# Altium PCB PCB.PcbDoc (part 2 of 3)
Units mm, origin at the board's own origin, x right, y up, seen from the top; angles counter-clockwise.
Board outline 245 x 130 mm, 2 copper layers (Top Layer, Bottom Layer), stack 2.071 mm thick; 280 components, 247 nets, 1185 pads, 381 vias.
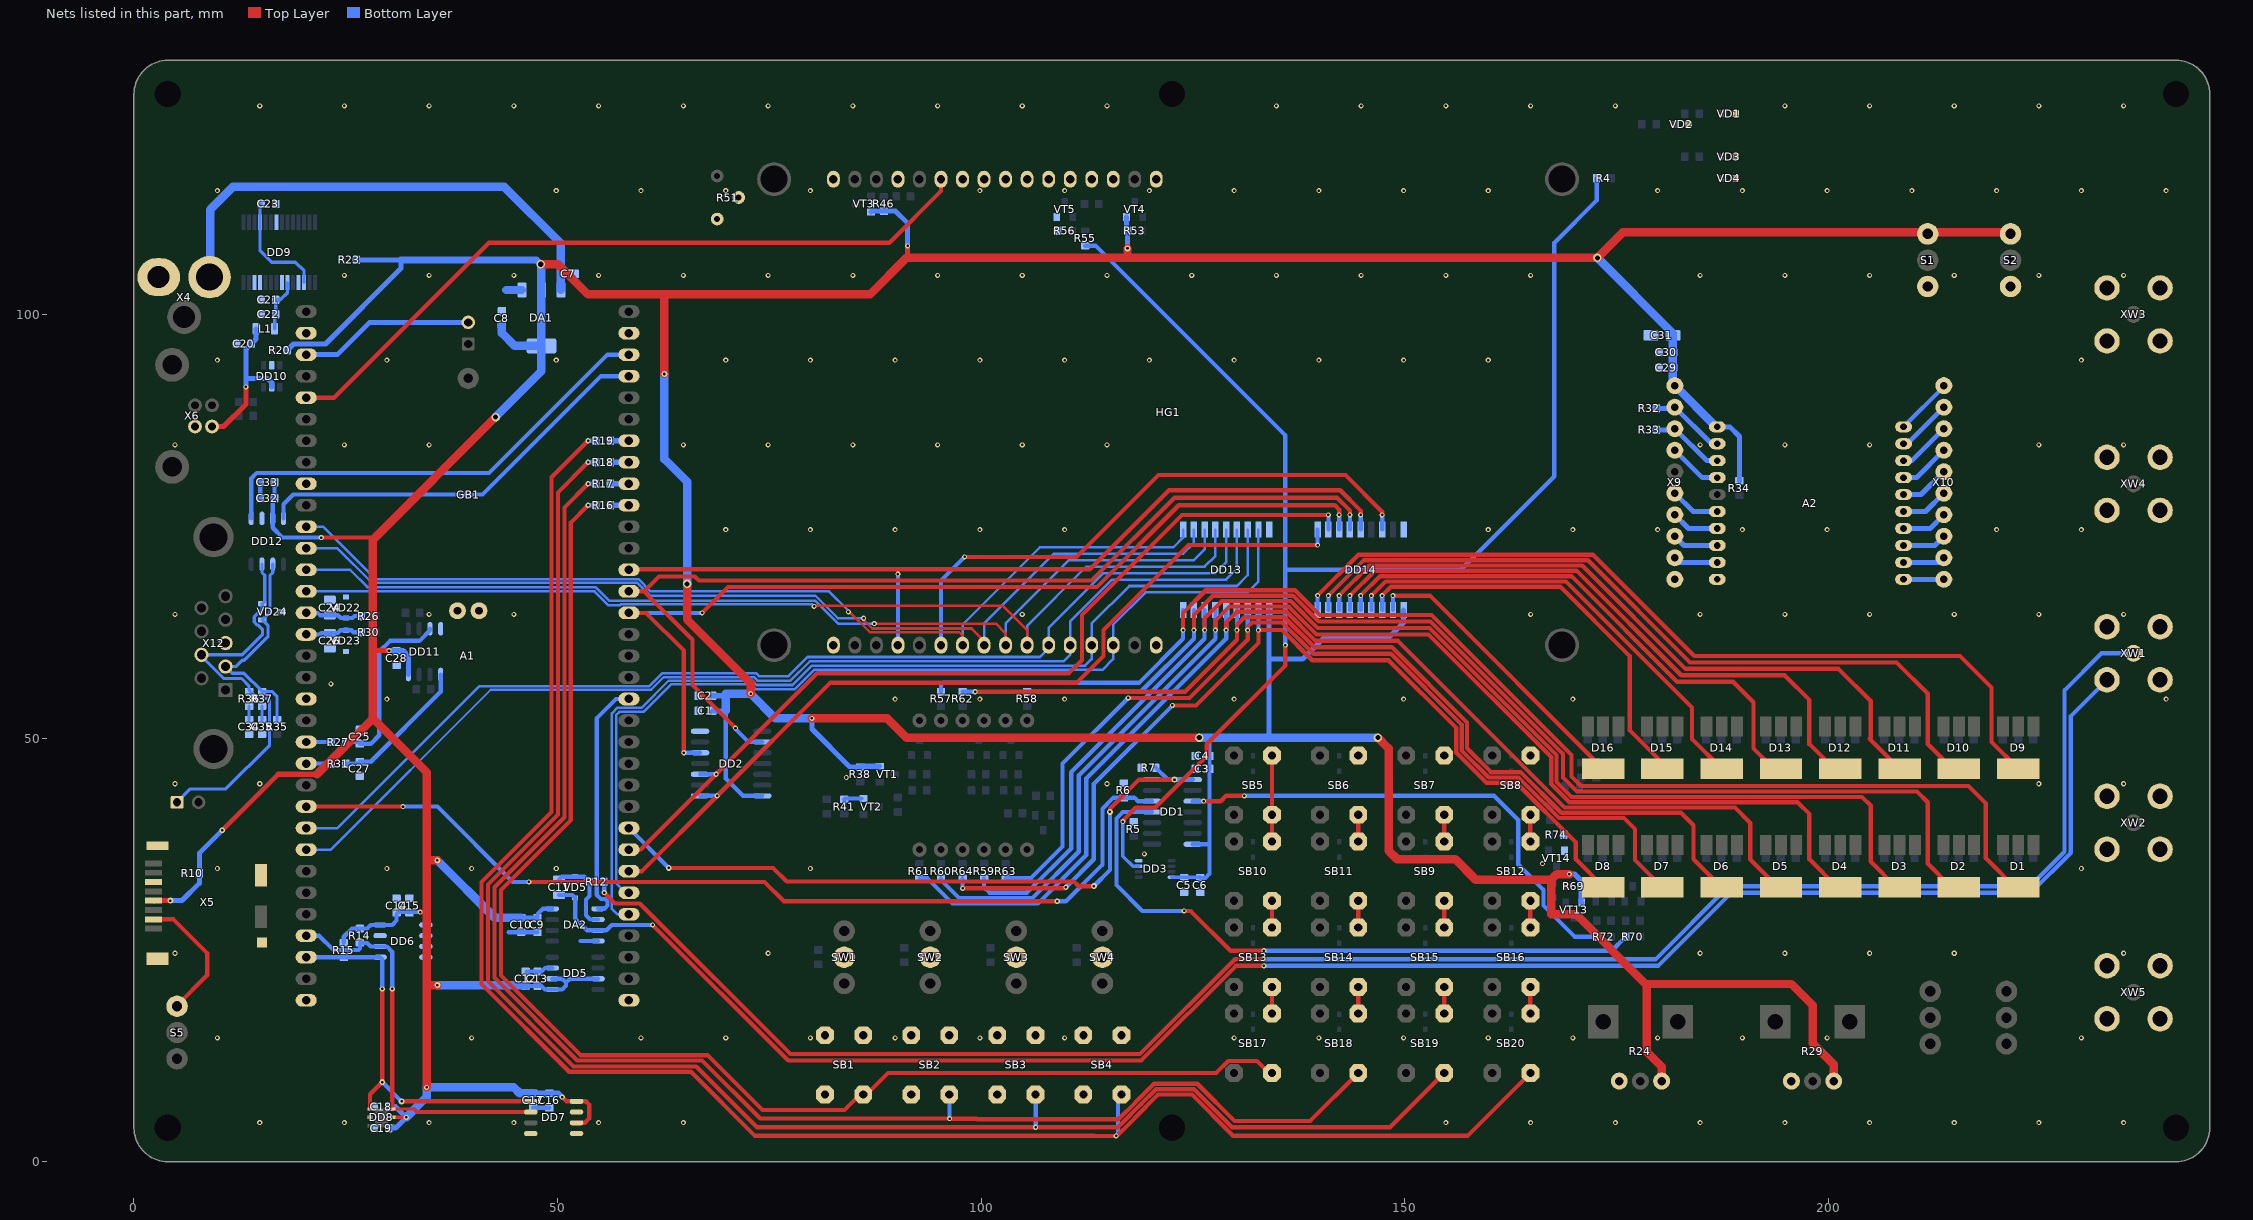
[diagram p2: the nets of this part, all layers, seen from the top]

## Part data
A1: "The STM32F072 discovery kit", ComponentLink1Description=Documentation, ComponentLink1URL=https://www.st.com/content/ccc/resource/technical/document/user_manual/3b/8d/46/57/b7/a9/49/b4/DM00099401.pdf/files/DM00099401.pdf/jcr:content/translations/en.DM00099401.pdf, ComponentLink2Description=KOMPEL, ComponentLink2URL=https://www.compel.ru/infosheet/ST/STM32F072B-DISCO, Model=STM32F072B-Disco
A2: library part IC-RADIO-XBEE, "XBEE module", ComponentLink1Designator=Compel
C1 C3 C5 C9 C12 C14 C16 C18 C21 C23 C28 C29 C32: library part CAPC_100n_0603_X7R_50V_10%, "Capacitor SMD Cer 100nF 10% 50V X7R 0603", Manufacturer 1="TDK Corporation", Manufacturer Part Number 1=C1608X7R1H104K, Package / Case="0603 (1608 Metric)", Ratings="50V; X7R", Tolerance=±10%, ComponentLink1Description=Compel, ComponentLink1URL=https://www.compel.ru/infosheet/TDK/C1608X7R1H104KT, Material=ceramic, SCDType=spec, Supplier 1=Compel
C2 C4 C6 C10 C13 C15 C17 C19 C30 C33: library part CAPC_10u_0805_10V, "Capacitor SMD Cer 10uF 10% 10V X5R 0603", Manufacturer 1="TDK Corporation", Manufacturer Part Number 1=C1608X5R1A106K080AC, Package / Case="0603 (1608 Metric)", Ratings="10V; X5R", Tolerance=±10%, ComponentLink1Description=Compel, ComponentLink1URL=https://www.compel.ru/infosheet/TDK/C1608X5R1A106K080AC, Material=ceramic, SCDType=spec, Supplier 1=Compel
C7 C8 C25 C27: library part CAPC_1u_0603_X7R_16V_10%, "Capacitor SMD Cer 1uF 10% 16V X7R 0603", Manufacturer 1="TDK Corporation", Manufacturer Part Number 1=C1608X7R1A105K080AC, Package / Case="0603 (1608 metric)", Ratings="16V; X7R", Supplier Part Number 1=445-1604-1-ND, Tolerance=±10%, ComponentLink1Description=Compel, ComponentLink1URL=https://www.compel.ru/infosheet/TDK/C1608X7R1A105K080AC, Material=ceramic, SCDType=spec, Supplier 1=Compel
C11 C24 C26: library part CAPC_330n_0805_X7R_25V_10%, "Capacitor SMD Cer 330nF 10% 25V X7R 0805", Manufacturer 1=Kemet, Manufacturer Part Number 1=C0805C334K3RACTU, Package / Case="0805 (2012 metric)", Ratings="25V; X7R", Tolerance=±10%, ComponentLink1Description=Compel, ComponentLink1URL=https://www.compel.ru/infosheet/KEM/C0805C334K3RACTU, Material=ceramic, SCDType=spec, Supplier 1=Compel
C20: library part CAPC_10n_0603_X7R_50V_10%, "Capacitor SMD Cer 10nF 10% 50V X7R 0603", Manufacturer 1="TDK Corporation", Manufacturer 2="AVX Corporation", Manufacturer Part Number 1=C1608X7R1H103K, Manufacturer Part Number 2=06035C103KAT2A, Package / Case="0603 (1608 metric)", Ratings="50V; X7R", Supplier Part Number 1=445-1311-1-ND, Tolerance=±10%, ComponentLink1Description=http://product.tdk.com/capacitor/mlcc/en/documents/mlcc_commercial_general_en.pdf, ComponentLink1URL=http://product.tdk.com/capacitor/mlcc/en/documents/mlcc_commercial_general_en.pdf, ComponentLink2Description=Compel, ComponentLink2URL=https://www.compel.ru/infosheet/TDK/C1608X7R1H103K080AA, Material=ceramic, SCDType=spec, Supplier 1=Digi-Key, Supplier 2=Digi-Key, Supplier Part Number 2=478-1227-1-ND
C22: library part CAPC_4u7_0603, "Capacitor SMD Cer 4.7uF 10% 16V X5R 0805", Manufacturer 1="TDK Co.", Manufacturer 2="Samsung Electro-Mechanics America, Inc", Manufacturer 3=Kemet, Manufacturer 4="Murata Electronics North America", Manufacturer 5="Taiyo Yuden", Manufacturer Part Number 1=C1608X5R1E475K080AC, Manufacturer Part Number 2=CL21A475KOFNNNE, Manufacturer Part Number 3=C0805C475K4PACTU, Manufacturer Part Number 4=GRM21BR61C475MA88L, Manufacturer Part Number 5=EMK212BJ475KG-T, Operating Temperature="-55°C ~ 85°C", Package / Case="0603 (1608 Metric)", Ratings="25V; X5R", Supplier Part Number 1=587-1294-1-ND, Tolerance=±10%, ComponentLink1Description=Compel, ComponentLink1URL=https://www.compel.ru/infosheet/TDK/C1608X5R1E475K080AC, ComponentLink2Description=http://www.samsungsem.com/servlet/FileDownload?type=spec&file=CL21A475KOFNNNE.pdf, ComponentLink2URL=http://www.samsungsem.com/servlet/FileDownload?type=spec&file=CL21A475KOFNNNE.pdf, ComponentLink3Description=http://capacitoredge.kemet.com/capedge2/DataSheet?pn=C0805C475K4PACTU, ComponentLink3URL=http://capacitoredge.kemet.com/capedge2/DataSheet?pn=C0805C475K4PACTU, ComponentLink4Description=http://psearch.murata.com/capacitor/product/GRM21BR61C475MA88#.pdf, ComponentLink4URL=http://psearch.murata.com/capacitor/product/GRM21BR61C475MA88#.pdf, ComponentLink5Description=http://www.yuden.co.jp/productdata/catalog/en/mlcc01_e.pdf, ComponentLink5URL=http://www.yuden.co.jp/productdata/catalog/en/mlcc01_e.pdf, Material=ceramic, RoHS 1="RoHS Compliant", RoHS 2="RoHS Compliant", RoHS 3="RoHS Compliant", RoHS 4="RoHS Compliant", RoHS 5="RoHS Compliant", SCDType=spec, Size / Dimension="0.079\" L x 0.049\" W (2.00mm x 1.25mm)", Supplier 1=Digi-Key, Supplier 2=Digi-Key, Supplier 3=Digi-Key, Supplier 4=Digi-Key, Supplier 5=Digi-Key, Supplier Part Number 2=1276-1065-1-ND, Supplier Part Number 3=399-8101-1-ND, Supplier Part Number 4=490-7215-1-ND, Supplier Part Number 5=445-7640-1-ND, Thickness (Max)="0.053\" (1.35mm)"
C31: library part CAPT_22u_3216_6V3, "Capacitor SMD Tantalum 22uF 10% 6.3V 3216-18", Manufacturer 1=Kemet, Manufacturer 2="Vishay Sprague", Manufacturer 3="AVX Corporation", Manufacturer Part Number 1=T491A226K006AT, Manufacturer Part Number 2=293D226X96R3A2TE3, Manufacturer Part Number 3=TAJA226K006RNJ, Package / Case="EIA 535BAAC size A", Ratings=6.3V, Supplier Part Number 1=399-8279-1-ND, Tolerance=±10%, ComponentLink1Description=Compel, ComponentLink1URL=https://www.compel.ru/infosheet/KEM/T491A226K006AT, ComponentLink2Description=http://www.vishay.com/doc?40002, ComponentLink2URL=http://www.vishay.com/doc?40002, ComponentLink3Description=http://www.avx.com/docs/Catalogs/taj.pdf, ComponentLink3URL=http://www.avx.com/docs/Catalogs/taj.pdf, Material="Solid Tantalum", SCDType=source, Supplier 1=Digi-Key, Supplier 2=Digi-Key, Supplier 3=Digi-Key, Supplier Part Number 2=718-1139-1-ND, Supplier Part Number 3=478-3865-1-ND
C34 C35: library part CAPC_560p_0603_NP0_50V_5%, "Capacitor SMD Cer 560pF 5% 50V NP0 0603", Capacitance=470pF, Manufacturer 1=KEMET, Manufacturer Part Number 1=C0603C561K8RACTU, Operating Temperature="-55°C ~ 125°C", Package / Case="0603 (1608 metric)", Ratings=10V, Tolerance=±5%, Voltage - Rated=50V, Applications="General Purpose", ComponentLink1Description=Compel, ComponentLink1URL=https://www.compel.ru/infosheet/KEM/C0603C561K8RACTU, Height - Seated (Max)=-, Lead Spacing=-, Lead Style=-, Material=ceramic, Mounting Type="Surface Mount, MLCC", SCDType=spec, Size / Dimension="0.063\" L x 0.032\" W (1.60mm x 0.81mm)", Supplier 1=Compel, Thickness (Max)="0.035\" (0.90mm)"
D1 D2 D3 D4 D5 D6 D7 D8 D9 D10 D11 D12 D13 D14 D15 D16: "RGB LED", Case="SMT package", Manufacture="FORYARD OPTOELECTRONICS CO.,LTD", HelpURL=http://www.foryard.com/x-en/p-download/d-Part/u-f/m-1/n-f_FYLS-5050RGBC/y-394, Model=FYLS-5050RGBC
DA1: "StateVoltageSource", Case=SOT-223, Manufacture="Analog Devices", HelpURL=https://www.compel.ru/infosheet/AD/ADP3339AKCZ-3.3-RL7, Model=ADP3339AKCZ-3.3-RL7
DA2: library part MCP3201, "ADC", Case=SOIC, Manufacture=Microchip, ComponentLink1Description=Compel, ComponentLink1URL=https://www.compel.ru/infosheet/MCRCH/MCP3201-CI%2FSN, HelpURL=http://ww1.microchip.com/downloads/en/devicedoc/21290f.pdf, Model=MCP3201-BI/SN
DD1: "4x2ИЛИ-НЕ", Case=SO14, Manufacture="NEXPERIA B.V.", HelpURL=https://www.compel.ru/infosheet/NEX-NXP/74LV02D.112, Model=74LV02D.112
DD2: library part SN74AHCU04, "HEX invertor", Case="SO-14 (NS)", Manufacture=TI, HelpURL=https://www.compel.ru/infosheet/TI/SN74AHCU04D, Model=SN74AHCU04DR
DD3: "2x2И", Case=TSSOP8, Manufacture="NEXPERIA B.V.", HelpURL=https://www.compel.ru/infosheet/NEX-NXP/74LVC2G08DP.125, Model=74LVC2G08DP.125
DD5: library part AT45DB161E, "FLASH", Case="SO-8 (8S1, 4.80 x 3.81)", Manufacture=Microchip, ComponentLink1Description=Compel, ComponentLink2Description=Datasheet, Model=AT45DB161E-SSHF2B-T
DD6: library part 24LC64, "EEPROM", Case=SOIJ, Manufacture=Microchip, HelpURL=https://www.compel.ru/item-pdf/39284653603efe9197531fdb9e909a49/pn/mcrch~24aa64t-i-ot.pdf, Model=24LC64-I/SN
DD7: library part STLM75, "Temperature sensor", Case=SO8, Manufacture=STMicro, HelpURL=https://www.compel.ru/infosheet/ST/STLM75M2F, Model=STLM75M2F
DD8: "Humidity sensor", Case=DFN-6, Manufacture="SENSIRION AG", HelpURL=https://www.compel.ru/infosheet/SENSIR/SHT21, Model=SHT21
DD9: library part FT232, "USB-UART converter", Case=SSOP-28, Manufacture="FUTURE Technology Devices Int. Ltd.", HelpURL=https://www.compel.ru/infosheet/FTDI/FT232RLR-C, Model=FT232RL
DD10: "Protect", Case=SOT236, Manufacture="ST Microelectronics", HelpURL=https://www.compel.ru/infosheet/ST/USBLC6-2SC6, Model=USBLC6-2SC6
DD11: library part LMH6646, "Rail-to-Rail Input and Output Amplifiers  with Shutdown Option", Case="SOIC-8 (D0008A, 4.9 x 3.9)", Manufacture=TI, Model=LMH6646MA/NOPB
DD12: library part "SN65HVD230 3.3-V", "Protect", Case=so-8, Manufacture=TI, HelpURL=https://www.compel.ru/infosheet/TI/SN65HVD232D, Model=SN65HVD232D
DD13 DD14: library part ULN2803, "Darlington Assembly", Case=SO-18, Manufacture=TI, HelpURL=https://www.compel.ru/infosheet/TI/ULN2803ADWR, Model=ULN2803ADW
GB1: library part Battery, "Holder", ComponentLink1Description=HolderDatasheet, ComponentLink1URL=https://www.compel.ru/item-pdf/9f8fe22c0277a17744fe21e4a6f50dee/pn/renata~bat-hold.hu2032-lf.pdf, ComponentLink2Description=KOMPEL, ComponentLink2URL=https://www.compel.ru/infosheet/RENATA/BAT%2FHOLD.HU2032-LF, Model=HU2032-1
HG1: "LCD", Manufacture=МЭЛТ, HelpURL=http://www.melt.com.ru/docs/MT-20S4A.pdf, Model=MT-20S4A-2YLG-3V0
HL1: "Indicator", Manufacture=Kingbright, HelpURL=https://www.compel.ru/item-pdf/cf29282fff28ab60477c19c159e754de/pn/kgb~ca56-12gwa.pdf, Model=CA56-12GWA, SYMBOL=14.2mm
L1: library part FERRITE_MI0805K400R-10_0805, "Ferrite bead 2.2K Ohm at 100 MHz 200mA 0603 SMD", Manufacturer 1="STEWARD Inc.", Manufacturer Part Number 1=MI0805K400R-10, Package / Case=0805, Ratings="200 mA; 800 mOhm DC", Supplier Part Number 1=445-8671-1-ND, ComponentLink1Description=Compel, ComponentLink1URL=https://www.compel.ru/infosheet/STEWARD/MI0805K400R-10, Mounting Type="Surface Mount", RoHS 1="RoHS Compliant", SCDType=source, Size / Dimension=0805, Supplier 1=Digi-Key
R1 R2 R3 R4 R57 R58 R59 R60 R61 R62 R63 R64: library part RES_68R_0603_5%, "Resistor SMD chip 68 Ohm 0.1W 5% 0603", Manufacturer 1=Yageo, Manufacturer Part Number 1=RC0603FR-0768RL, Package / Case="0603 (1608 metric)", Ratings="1/10 W", Supplier Part Number 1=311-68GRCT-ND, Tolerance=±1%, ComponentLink1Designator=Compel, ComponentLink1URL=https://www.compel.ru/infosheet/YAG/RC0603FR-0768RL, Material="Thick Film", SCDType=spec, Supplier 1=Compel
R5 R6 R7 R10 R23 R34 R38 R41 R42 R43 R44 R45 R46 R53 R56 R65 R66 R67 R69 R74: library part RES_10K_0603_1%, "Resistor SMD chip 10k Ohm 0.1W 1% 0603", Manufacturer 1=Yageo, Manufacturer Part Number 1=RC0603FR-0710KL, Package / Case="0603 (1608 Metric)", Ratings=1/10W, Supplier Part Number 1=311-10.0KHRCT-ND, Tolerance=±1%, ComponentLink1Designator=Compel, ComponentLink1URL=https://www.compel.ru/infosheet/YAG/RC0603FR-0710KL, SCDType=spec, Supplier 1=Compel
R8 R9 R11 R12 R13 R16 R17 R18 R19 R26 R27 R30 R31: library part RES_1K_0603_1%, "Resistor SMD chip 1k Ohm 0.1W 1% 0603", Manufacturer 1=Yageo, Package / Case="0603 (1608 Metric)", Ratings=1/10W, Supplier Part Number 1=311-1.00KHRCT-ND, Tolerance=±1%, ComponentLink1Description=Compel, ComponentLink1URL=https://www.compel.ru/infosheet/YAG/RC0603FR-071KL, Manufacturer Part Number 1=RC0603FR-071KL, SCDType=spec, Supplier 1=Compel
R14 R15 R20: library part RES_4K7_0603_1%, "Resistor SMD chip 4.7K Ohm 0.1W 1% 0603", Manufacturer 1=Yageo, Manufacturer Part Number 1=RC0603FR-074K7L, Package / Case="0603 (1608 Metric)", Ratings=1/10W, Supplier Part Number 1=311-4.70KHRCT-ND, Tolerance=±1%, ComponentLink1Designator=Compel, ComponentLink1URL=https://www.compel.ru/infosheet/YAG/RC0603FR-074K7L, SCDType=undef, Supplier 1=Compel
R21 R22 R32 R33: library part RES_22R_0603_5%, "Resistor SMD chip 22 Ohm 0.1W 5% 0603", Case="0603 (1608 metric)", Manufacturer 1=Yageo, Manufacturer 2="Samsung Electro-Mechanics America, Inc", Manufacturer 3="Stackpole Electronics Inc", Manufacturer 4="Rohm Semiconductor", Manufacturer 5="Panasonic Electronic Components", Manufacturer Part Number 1=RC0603JR-0722RL, Manufacturer Part Number 2=RC1608J220CS, Manufacturer Part Number 3=RMCF0603JT22R0, Manufacturer Part Number 4=MCR03ERTJ220, Manufacturer Part Number 5=ERJ-3GEYJ220V, Ratings=1/10W, Supplier Part Number 1=RC0603FR-0722RL, Temperature Coefficient=±100ppm/°C, Tolerance=±1%, ComponentLink1Description=Compel, ComponentLink1URL=https://www.compel.ru/infosheet/YAG/RC0603FR-0722RL, ComponentLink2Description=http://www.samsungsem.com/servlet/FileDownload?filename=productcatalog/pdf/Chip_Resistor.pdf, ComponentLink2URL=http://www.samsungsem.com/servlet/FileDownload?filename=productcatalog/pdf/Chip_Resistor.pdf, ComponentLink3Description=http://www.seielect.com/Catalog/SEI-RMCF_RMCP.pdf, ComponentLink3URL=http://www.seielect.com/Catalog/SEI-RMCF_RMCP.pdf, ComponentLink4Description=http://rohmfs.rohm.com/en/products/databook/datasheet/passive/resistor/chip_resistor/mcr_g.pdf, ComponentLink4URL=http://rohmfs.rohm.com/en/products/databook/datasheet/passive/resistor/chip_resistor/mcr_g.pdf, ComponentLink5Description=http://industrial.panasonic.com/www-cgi/jvcr13pz.cgi?E+PZ+3+AOA0001+ERJ3GEYJ220V+7+WW, ComponentLink5URL=http://industrial.panasonic.com/www-cgi/jvcr13pz.cgi?E+PZ+3+AOA0001+ERJ3GEYJ220V+7+WW, Package / Case="0603 (1608 metric)", RoHS 1="RoHS Compliant", RoHS 2="RoHS Compliant", RoHS 3="RoHS Compliant", RoHS 4="RoHS Compliant", RoHS 5="RoHS Compliant", SCDType=spec, Supplier 1=Compel, Supplier 2=Digi-Key, Supplier 3=Digi-Key, Supplier 4=Digi-Key, Supplier 5=Digi-Key, Supplier Part Number 2=1276-5022-6-ND, Supplier Part Number 3=RMCF0603JT22R0DKR-ND, Supplier Part Number 4=RHM22CGDKR-ND, Supplier Part Number 5=P22GDKR-ND
R24 R29: library part RES_TRIMMER_10K_ADC, "Trimmer THD 20K 500mW 25-turn", Manufacturer 1="ALPS Electric Co., Ltd.", Manufacturer Part Number 1=RK09K1130A5R, Package / Case="10.9mm L x 5.0mm W x 10.0mm H", Ratings="1/2W; ±100ppm/°C", Supplier Part Number 1=490-2900-ND, Tolerance=±20%, ComponentLink1Designator=Compel, ComponentLink1URL=https://www.compel.ru/infosheet/ALPS/RK09K1130A5R, Material=Cermet, SCDType=spec, Supplier 1=Kompel
R25 R28 R36 R37: library part RES_100R_0603_1%, "Resistor SMD chip 100 Ohm 0.1W 1% 0603", Manufacturer 1=Yageo, Manufacturer 2="Panasonic - ECG", Manufacturer Part Number 1=RC0603FR-07100RL, Manufacturer Part Number 2=ERJ-3EKF1000V, Package / Case="0603 (1608 Metric)", Ratings="1/10 W", Supplier Part Number 1=311-100HRCT-ND, Tolerance=±1%, ComponentLink1Description=Compel, ComponentLink1URL=https://www.compel.ru/infosheet/YAG/RC0603FR-07100RL, Material="Thick Film", SCDType=spec, Supplier 1=Compel, Supplier 2=Digi-Key, Supplier Part Number 2=P100HTR-ND
R35: library part RES_120R_0603_5%, "Resistor SMD chip 120 Ohm 0.1W 5% 0603", Manufacturer 1=Yageo, Manufacturer Part Number 1=RC0603FR-07120RL, Package / Case="0603 (1608 metric)", Ratings="1/10 W", Supplier Part Number 1=541-120GCT-ND, Tolerance=±1%, ComponentLink1Description=Compel, ComponentLink1URL=http://www.vishay.com/doc?20035, ComponentLink2Description=http://www.yageo.com/documents/recent/PYu-RC0603_51_RoHS_L_4.pdf, ComponentLink2URL=http://www.yageo.com/documents/recent/PYu-RC0603_51_RoHS_L_4.pdf, Manufacturer 2=Yageo, Material="Thick Film", SCDType=spec, Supplier 1=Compel, Supplier 2=Digi-Key, Supplier Part Number 2=311-120GRCT-ND
R39 R40 R47 R48 R49 R50 R52 R54 R55 R68 R70 R71 R72 R73: library part RES_470R_0603_5%, "Resistor SMD chip 470 Ohm 0.1W 5% 0603", Manufacturer 1=Yageo, Manufacturer Part Number 1=CRCW0603470RJNEA, Package / Case="0603 (1608 metric)", Ratings="1/10 W", Supplier Part Number 1=541-470GCT-ND, Tolerance=±5%, ComponentLink1Designator=Compel, ComponentLink1URL=https://www.compel.ru/infosheet/YAG/RC0603FR-07470RL, Material="Thick Film", SCDType=spec, Supplier 1=Compel
R51: library part RES_TRIMMER_10K_LCD, "Trimmer THD 10K 500mW 25-turn", Manufacturer 1=Bourns, Manufacturer Part Number 1=3266W-1-103, Package / Case=6.35?4.31?6.85, Ratings="250mW; ±100ppm/°C", Tolerance=±10%, ComponentLink1Designator=Compel, ComponentLink1URL=https://www.compel.ru/infosheet/BOURNS/3266W-1-103, Supplier 1=Compel
R75 R76 R77 R78 R79 R80 R81 R82 R83 R84 R85 R86 R87 R88 R89 R90 R91 R92 R93 R94 R95 R96 R97 R98 R99 R100 R101 R102 R103 R104 R105 R106 R107 R108 R109 R110 R111 R112 R113 R114 R115 R116 R117 R118 R119 R120 R121 R122: library part RES_1K2_0603_1%, "Resistor SMD chip 1,2 kOhm 0.1W 1% 0603", Manufacturer 1=Yageo, Manufacturer Part Number 1=RC0603FR-071K2L, Package / Case="0603 (1608 metric)", Ratings="1/10 W", Supplier Part Number 1=311-68GRCT-ND, Tolerance=±1%, ComponentLink1Designator=Compel, ComponentLink1URL=https://www.compel.ru/infosheet/YAG/RC0603FR-0768RL, Material="Thick Film", SCDType=spec, Supplier 1=Compel
S1 S2 S3 S4 S5: library part SW_THD_SPDT_On-On, "Switch THD vertical toggle SPDT", Contact Rating @ Voltage="0.25A @ 125VAC", Manufacturer 1="TE Connectivity", Manufacturer Part Number 1=SLS121PC04, Supplier Part Number 1=450-1598-ND, Circuit=SPDT, ComponentLink1Designator=Compel, ComponentLink1URL=https://www.compel.ru/infosheet/TE/SLS121PC04, Mounting Type="PCB mount", SCDType=spec, Supplier 1=Compel, Switch Function=On-On
SB1 SB2 SB3 SB4 SB6 SB7 SB8 SB9 SB10 SB11 SB12 SB13 SB14 SB15 SB16 SB17 SB18 SB19 SB20: "Switch, tact, 4.3mm stem", Manufacturer 1="TE Connectivity", Manufacturer Part Number 1=3-1825910-5, Package / Case="6.5x6.5mm; 4.3mm stem", ComponentLink1Designator=Compel, ComponentLink1URL=https://www.compel.ru/infosheet/TE/3-1825910-5, Function=Speed, Material="Brass/Nylon/Ag plating", SCDType=spec
SB5: "Switch, tact, 4.3mm stem", Manufacturer Part Number 1=3-1825910-5, Package / Case="6.5x6.5mm; 4.3mm stem", ComponentLink1Designator=Compel, ComponentLink1URL=https://www.compel.ru/infosheet/TE/3-1825910-5, Function=Speed, Material="Brass/Nylon/Ag plating", Number=1, SCDType=spec
SW1 SW2 SW3 SW4: library part SW_THD_SPDT_On-On_1, "Switch THD vertical toggle SPDT", Contact Rating @ Voltage="0.25A @ 125VAC", Manufacturer 1="TE Connectivity", Manufacturer Part Number 1=SLS121PC04, Supplier Part Number 1=450-1598-ND, Circuit=SPDT, ComponentLink1Designator=Compel, ComponentLink1URL=https://www.compel.ru/infosheet/TE/SLS121PC04, Mounting Type="PCB mount", SCDType=spec, Supplier 1=Compel, Switch Function=On-On
VD1 VD2 VD3 VD4: "LED", Case=L_0603/SMD, Manufacture="FORYARD OPTOELECTRONICS CO.,LTD", ComponentLink1Descriptor=Terraelectronica, ComponentLink1URL=https://www.terraelectronica.ru/product/339750, Model=FYLS-0603URC
VD5 VD22 VD23: library part DIODE_ZENER_4V_SOD323, "Diode Zener SMD 4V 200mW SOD-323", Manufacturer 1="Diotec Semiconductor", Manufacturer Part Number 1=MM3Z3V6, Package / Case=SOD-323, Ratings="4V; 0.2W;", Supplier Part Number 1=MM3Z3V3ST1GOSCT-ND, Tolerance=±3%, ComponentLink1Designator=Kompel, ComponentLink1URL=https://www.compel.ru/infosheet/DIOTEC/MM3Z3V6, Diode Type=Zener, Material=Si, SCDType=source, Supplier 1=Kompel
VD6 VD7 VD8 VD9 VD10 VD11 VD12 VD13 VD14 VD15 VD16 VD17 VD18 VD19 VD20 VD21: library part DIODE_1N4148_200mA_SOD523F, "Diode SMD small signal 0.2A SOD-523F", Manufacturer 1="Fairchild Semiconductor", Manufacturer Part Number 1=1N4148WT, Package / Case="SC-79, SOD-523F", Ratings="Vr=75V; Vf=1V@10mA; Io=200mA", Supplier Part Number 1=1N4148WTCT-ND, ComponentLink1Description=http://www.fairchildsemi.com/ds/1N/1N914BWT.pdf, ComponentLink1URL=http://www.fairchildsemi.com/ds/1N/1N914BWT.pdf, Material=Si, SCDType=source, Supplier 1=Digi-Key
VD24: "TVS Diode Array", Case=DO-41, Manufacture=Littelfuse, HelpURL=https://www.compel.ru/wordpress/wp-content/uploads/2017/03/Littelfuse_SM24CANA.pdf, Model=SM24CANA-02HTG
VT1 VT3 VT4 VT6 VT7 VT8 VT9 VT10 VT11 VT12 VT13: library part MOSFET_P-CH_IRLML2244TRPbF, "MOSFET P-Channel SMD", Manufacturer 1=Infineon, Manufacturer Part Number 1=IRLML2244TRPbF, Package / Case=SOT-23-3, Ratings="20V; 4.3A", ComponentLink1Description=Data, ComponentLink1URL=https://www.compel.ru/item-pdf/b67edcdbc583bffdc43763720a97c5ae/ps/infin~irlml2246pbf.pdf, ComponentLink2Description=Compel, ComponentLink2URL=https://www.compel.ru/infosheet/INFIN/IRLML2246TRPBF, SCDType=undef, Supplier 1=Compel, Supplier Part Number 1=IRLML2244TRPbF
VT2 VT5 VT14: library part MOSFET_N-CH_IRLML6244TRPBF, "MOSFET N-Channel SMD", Manufacturer 1=Infineon, Manufacturer Part Number 1=IRLML6244TRPBF, Package / Case=SOT-23-3, Ratings="20V; 6.3A", ComponentLink1Description=Data, ComponentLink1URL=https://www.compel.ru/item-pdf/c888608b045c7f9cf47a03db2a6506b1/ps/infin~irlml6244pbf.pdf, ComponentLink2Description=Compel, ComponentLink2URL=https://www.compel.ru/infosheet/INFIN/IRLML6244TRPBF, SCDType=undef, Supplier 1=Compel, Supplier Part Number 1=IRLML6244TRPBF
X1 X2: library part "CONN Disco", "CONN Disco", Manufacture=CONNFLY, ComponentLink1Designator=Compel, ComponentLink1URL=https://www.compel.ru/infosheet/CONNFLY/PBS-40, Model=PBS-40
X3 X11: library part "PLS-2 _1", "Jumper", Manufacture="NINGBO KLS Electronic Co.,Ltd.", HelpURL=https://www.compel.ru/infosheet/KLS/PLS-2, Model=PLS-2
X4: library part "EJ503A (K375A)", "Power connector", Case=5.5*2.1mm, Manufacture="MEMORY PROTECTION Devices Inc.", HelpURL=https://www.terraelectronica.ru/product/1370664, Model=PJ-002A
X5: "Connector", Manufacturer_Name=Hirose, Mouser2 Part Number=798-DM3CSSF, ComponentLink1Designator=Compel, ComponentLink1URL=https://www.compel.ru/infosheet/HI/DM3CS-SF, Datasheet Link=https://componentsearchengine.com/Datasheets/1/DM3CS-SF.pdf, Model=DM3CS-SF, Mouser2 Price/Stock=https://www.mouser.com/Search/Refine.aspx?Keyword=798-DM3CSSF
X6: library part USB_TypeB, "Connector THT Type B USB connector", Manufacturer 1=Molex, Manufacturer Part Number 1=0670680000, Package / Case="R/A Type B", Supplier Part Number 1=A31725-ND, ComponentLink1Designator=Compel, ComponentLink1URL=https://www.compel.ru/infosheet/MOL/0670680000, Connector Type="USB - B", SCDType=undef, Specifications="USB 2.0", Supplier 1=Digi-Key
X7 X8: library part "CONN XBEE", "CONN XBEE", Manufacture=CONNFLY, ComponentLink1Designator=Compel, ComponentLink1URL=https://www.compel.ru/infosheet/CONNFLY/PBS2-10, Model=PBS2-10
X9: library part "XBEE connector_left", "External", Manufacture="NINGBO KLS Electronic Co.,Ltd.", HelpURL=https://www.compel.ru/infosheet/KLS/PBS-10, Model=PBS10
X10: library part "XBEE connector", "External", Manufacture="NINGBO KLS Electronic Co.,Ltd.", HelpURL=https://www.compel.ru/infosheet/KLS/PBS-10, Model=PBS10
X12: library part DRB-9FA_1, "Conector CAN", Case=DB9, Manufacture=Connfly, ComponentLink1Description=COMPEL, ComponentLink1URL=https://www.compel.ru/infosheet/CONNFLY/DRB-9FA, Model=DRB-9FA
X13 X14: library part "CONN LCD", "CONN LCD", Manufacture=CONNFLY, ComponentLink1Designator=Compel, ComponentLink1URL=https://www.compel.ru/infosheet/CONNFLY/PBS-16R, Model=PBS-16R
XW1 XW2 XW3 XW4 XW5: library part CONN_BNC, "BNC", Manufacturer 1="TE Connectivity", Manufacturer Part Number 1=413969-2, Ratings="9400pF; 1500V", Supplier Part Number 1=A32418-ND, Category=Connectors, ComponentLink1Description=Compel, ComponentLink1URL=https://www.compel.ru/infosheet/TE/413969-2, Impedance="50 Ohm", Mounting Type="Through Hole", SCDType=undef, Supplier 1=Digi-Key

## Free pads (board coordinates)
  round 0 hole 3.1: PADM(4,4) PADM(4,126) PADM(122.5,4) PADM(122.5,126) PADM(241,4) PADM(241,126)

## Via types
v1: diameter 0.6, hole 0.3, Top Layer to Bottom Layer, tented both sides, 363 vias
v2: diameter 0.7, hole 0.3, Top Layer to Bottom Layer, tented both sides, 12 vias
v3: diameter 1, hole 0.6, Top Layer to Bottom Layer, tented both sides, 6 vias
